# KiCad board geeks-ecu.kicad_pcb
title: Electronics Control Unit (ECU); date: 2025-11-19; rev: V1; company: Learn Science and Math Club; note: Geeks for Kids
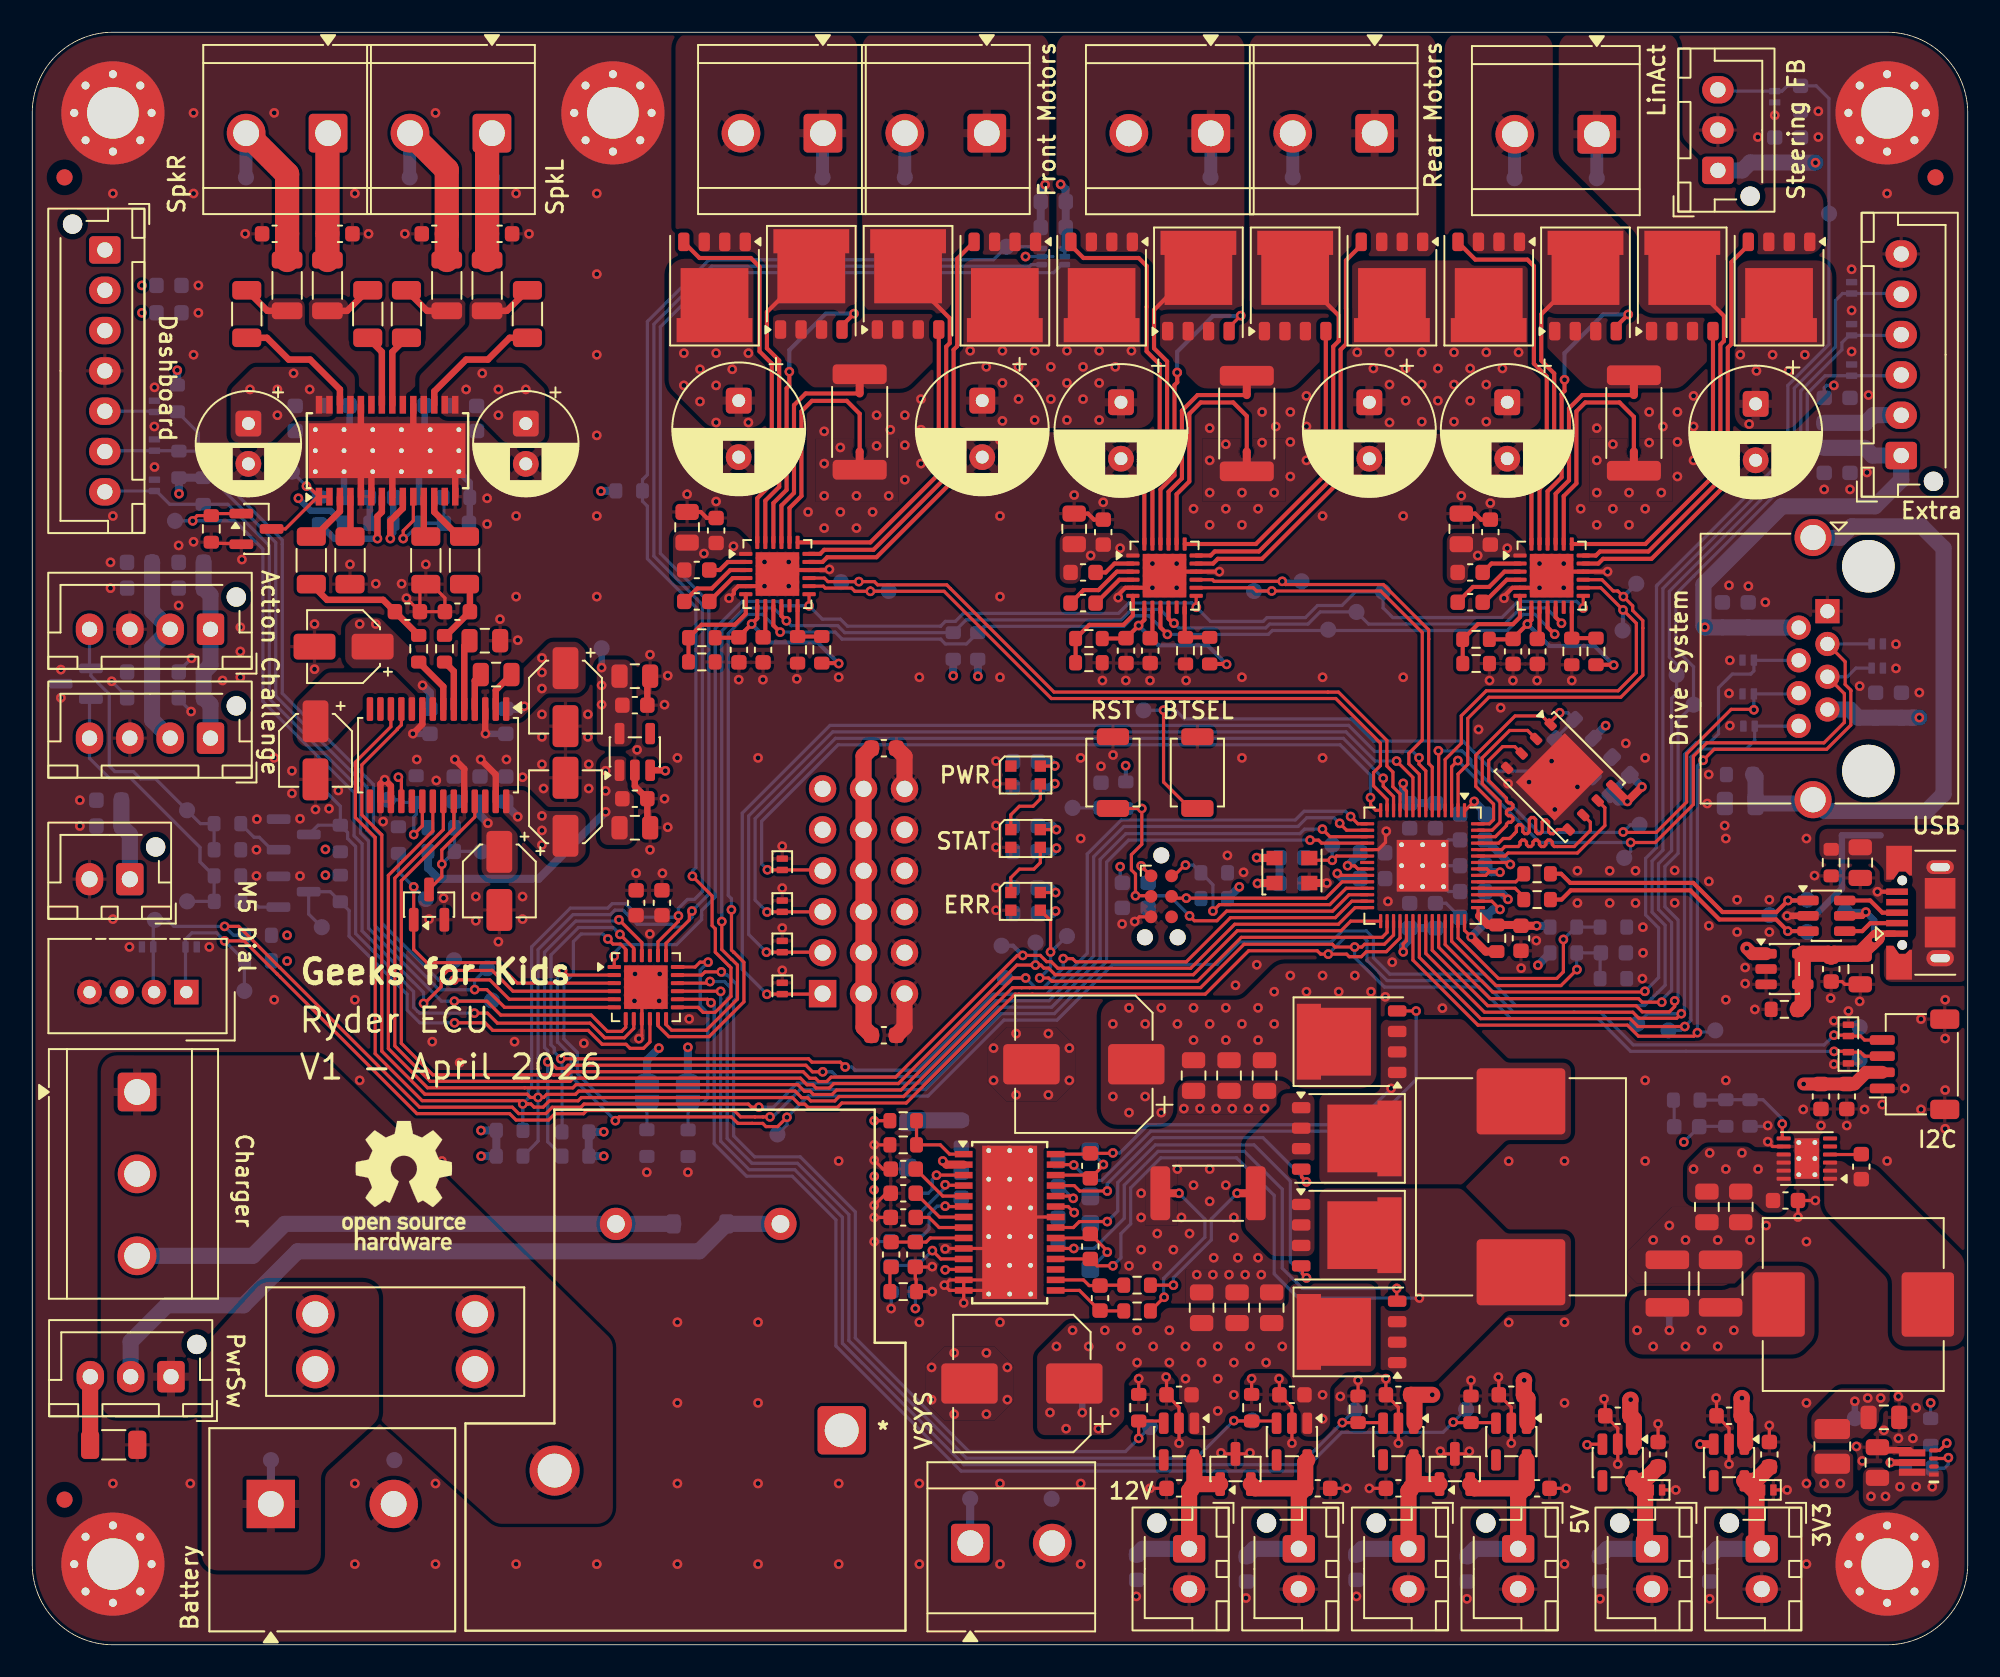
[diagram p0: board, top side]
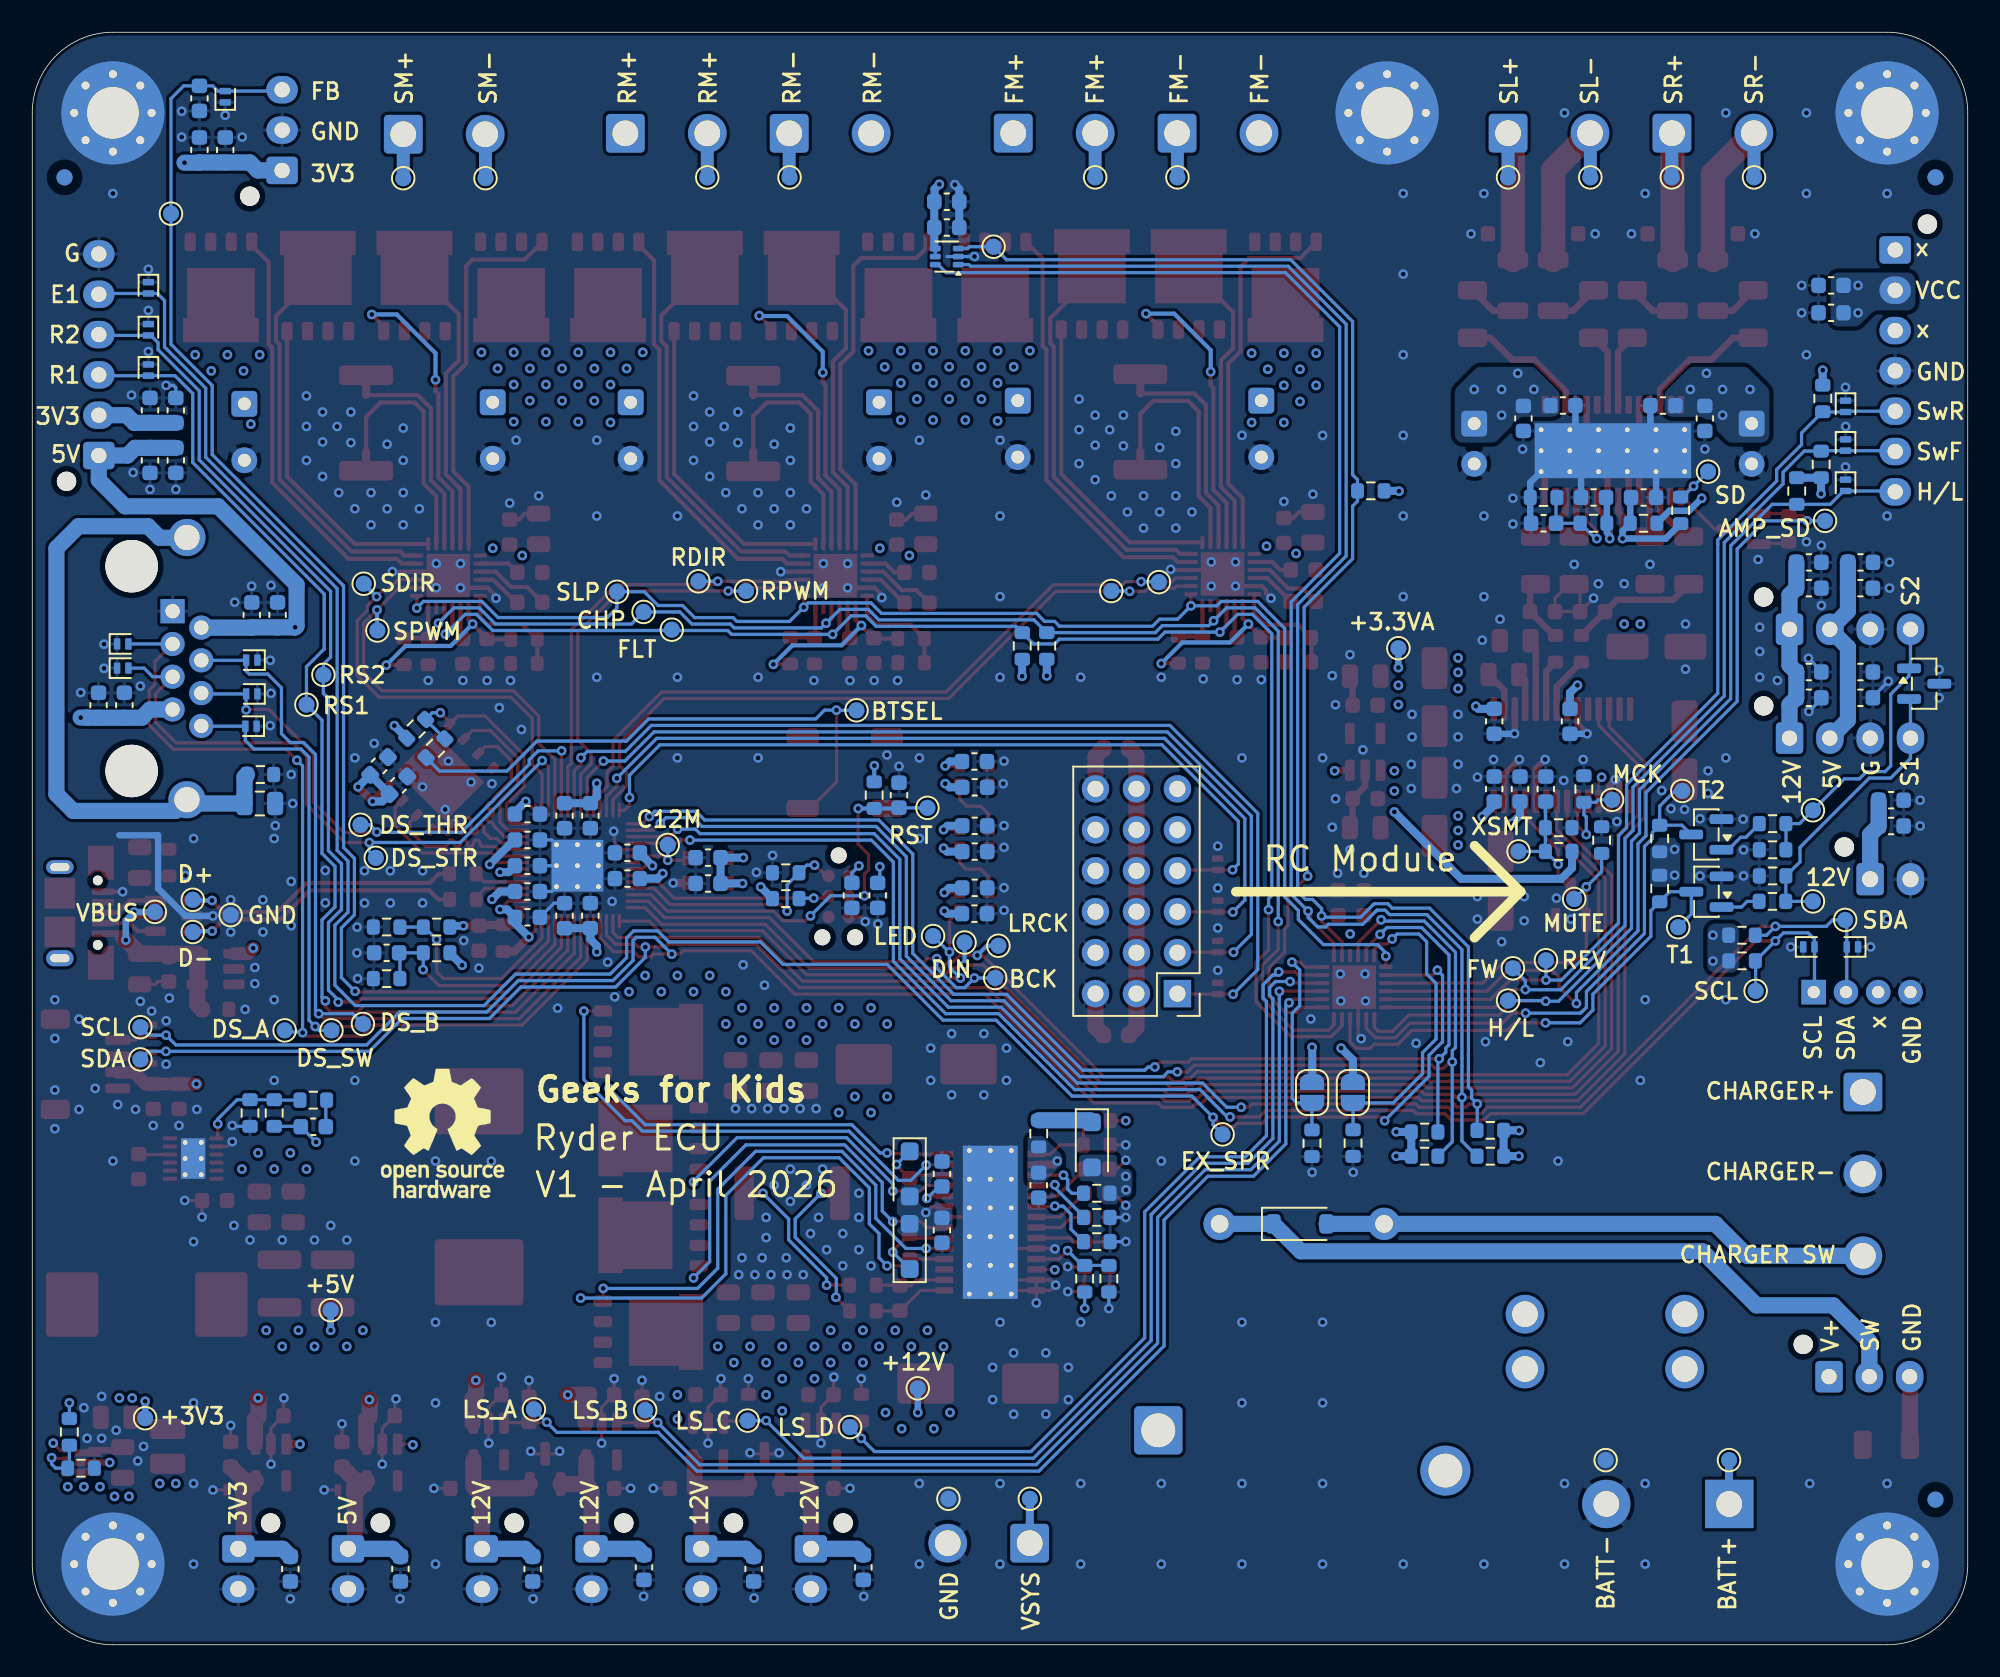
[diagram p1: board, bottom side, seen from below]

Outline 120 x 100 mm; copper layers: Top, In1.Cu, In2.Cu, In3.Cu, In4.Cu, In5.Cu, In6.Cu, Bottom. Coordinates in mm from the lower left corner of the outline.
Outline path: 0,95 arc(1.46,98.54) 5,100 115,100 arc(118.54,98.54) 120,95 120,5 arc(118.54,1.46) 115,0 5,0 arc(1.46,1.46) 0,5 0,95
Stack: Top 0.035mm / dielectric 0.203mm 7628 er 4.5 / In1.Cu 0.03mm / dielectric 0.25mm FR4 er 4.5 / In2.Cu 0.03mm / dielectric 0.203mm 7628 er 4.5 / dielectric 0.107mm 3313 er 4.5 / dielectric 0.203mm 7628 er 4.5 / In3.Cu 0.03mm / dielectric 0.25mm FR4 er 4.5 / In4.Cu 0.03mm / dielectric 0.203mm 7628 er 4.5 / In5.Cu 0.035mm / dielectric 0mm FR4 er 4.5 / In6.Cu 0.035mm / dielectric 0mm FR4 er 4.5 / Bottom 0.035mm

## Placement (name value [footprint] x y rotation side)
C201  15nF  [C_0603_1608Metric]  54 26.5 180 top
C202  15nF  [C_0603_1608Metric]  53.25 24.2 270 top
C203  150pF  [C_0603_1608Metric]  54.75 24.2 270 top
C204  68uF  [CP_Elec_8x10]  65.2 36 180 top
C205  10uF  [C_0805_2012Metric]  72 35.3 90 top
C206  10uF  [C_0805_2012Metric]  74.2 35.3 90 top
C207  47nF  [C_0603_1608Metric]  54 29.5 180 top
C208  10uF  [C_0805_2012Metric]  76.4 35.3 90 top
C209  180pF  [C_0603_1608Metric]  54 28 180 top
C210  47pF  [C_0603_1608Metric]  66.2 21.5 270 top
C211  100nF  [C_0603_1608Metric]  57.6 28.5 270 bottom
C212  100nF  [C_0603_1608Metric]  63.6 29.2 90 bottom
C213  1uF  [C_0603_1608Metric]  63.6 25.7 90 bottom
C214  22uF  [C_0805_2012Metric]  72.5 20.9 90 top
C215  100nF  [C_0603_1608Metric]  65.6 29.7 90 top
C216  22uF  [C_0805_2012Metric]  74.7 20.9 90 top
C217  100nF  [C_0603_1608Metric]  65.6 24.7 270 top
C218  22uF  [C_0805_2012Metric]  76.84 20.9 90 top
C219  270uF  [CP_Elec_8x10]  61.36 16.2 180 top
C220  1uF  [C_0603_1608Metric]  91.7 15.5 0 top
C221  1uF  [C_0603_1608Metric]  84.7 15.5 0 top
C222  1uF  [C_0603_1608Metric]  78.1 15.5 0 top
C223  1uF  [C_0603_1608Metric]  71.1 15.5 0 top
C224  1uF  [C_0603_1608Metric]  93.3 9.7 180 top
C225  1uF  [C_0603_1608Metric]  84.7 9.7 0 top
C226  1uF  [C_0603_1608Metric]  79.7 9.7 180 top
C227  1uF  [C_0603_1608Metric]  71.1 9.7 0 top
C228  0.1uF  [C_0603_1608Metric]  88.98 4.7 270 bottom
C229  0.1uF  [C_0603_1608Metric]  82.07 4.8 270 bottom
C230  0.1uF  [C_0603_1608Metric]  75.28 4.7 270 bottom
C231  0.1uF  [C_0603_1608Metric]  68.47 4.8 270 bottom
C301  10uF  [C_0805_2012Metric]  103.82 27.15 90 top
C302  10uF  [C_0805_2012Metric]  105.92 27.15 90 top
C303  10uF  [C_0805_2012Metric]  114.4 11.3 270 top
C304  0.1uF  [C_0603_1608Metric]  108.7 27.55 0 top
C305  0.1uF  [C_0603_1608Metric]  113.4 29.65 270 top
C306  22uF  [C_0805_2012Metric]  114.8 14.1 0 top
C307  33pF  [C_0603_1608Metric]  102.58 32.12 180 bottom
C308  47uF  [C_1210_3225Metric]  101.38 22.4 90 top
C309  1uF  [C_0603_1608Metric]  98.3 14.2 0 top
C310  1uF  [C_0603_1608Metric]  105.2 14.2 0 top
C311  47uF  [C_1210_3225Metric]  104.68 22.4 90 top
C312  1uF  [C_0603_1608Metric]  100.8 11.8 270 top
C313  1uF  [C_0603_1608Metric]  107.7 11.8 270 top
C314  0.1uF  [C_0603_1608Metric]  97.18 4.7 270 bottom
C315  0.1uF  [C_0603_1608Metric]  104 4.7 270 bottom
C401  1uF  [C_0603_1608Metric]  97.3 53.3 315 bottom
C402  1uF  [C_0603_1608Metric]  78.1 48.81 180 bottom
C403  1uF  [C_0603_1608Metric]  67.58 46.47 90 bottom
C404  4.7nF  [C_0805_2012Metric]  113.33 48.5 270 top
C405  0.1uF  [C_0603_1608Metric]  98.5 54.5 135 bottom
C406  0.1uF  [C_0603_1608Metric]  78.1 47.21 0 bottom
C407  0.1uF  [C_0603_1608Metric]  69.18 46.47 270 bottom
C408  0.1uF  [C_0603_1608Metric]  66.26 52.69 90 bottom
C409  10uF  [C_0805_2012Metric]  113.33 41.91 90 top
C410  0.1uF  [C_0603_1608Metric]  111.54 41.91 270 top
C411  1uF  [C_0603_1608Metric]  89.3 45.11 0 bottom
C412  1uF  [C_0603_1608Metric]  92.3 43.81 90 top
C413  0.1uF  [C_0603_1608Metric]  89.3 51.51 180 bottom
C414  0.1uF  [C_0603_1608Metric]  85.4 51.41 270 bottom
C415  0.1uF  [C_0603_1608Metric]  83.1 49.11 0 bottom
C416  1uF  [C_0603_1608Metric]  61.59 45.34 0 bottom
C417  0.1uF  [C_0603_1608Metric]  85.4 45.21 90 bottom
C418  0.1uF  [C_0603_1608Metric]  61.57 46.94 180 bottom
C419  0.1uF  [C_0603_1608Metric]  87 45.21 90 bottom
C420  1uF  [C_0603_1608Metric]  61.57 49.19 0 bottom
C421  0.1uF  [C_0603_1608Metric]  87 51.41 270 bottom
C422  0.1uF  [C_0603_1608Metric]  61.57 50.79 180 bottom
C423  0.1uF  [C_0603_1608Metric]  89.3 48.31 180 bottom
C424  1uF  [C_0603_1608Metric]  61.57 53.17 0 bottom
C425  1uF  [C_0603_1608Metric]  89.3 49.91 0 bottom
C426  0.1uF  [C_0603_1608Metric]  61.59 54.78 180 bottom
C427  0.1uF  [C_0603_1608Metric]  89.3 46.71 180 bottom
C428  0.1uF  [C_0603_1608Metric]  83.1 47.51 0 bottom
C429  0.1uF  [C_0603_1608Metric]  98.03 42.91 0 bottom
C430  1uF  [C_0603_1608Metric]  39.04 46.01 270 top
C431  0.1uF  [C_0603_1608Metric]  37.44 46.01 90 top
C432  1uF  [C_0603_1608Metric]  110.9 34 90 top
C433  0.1uF  [C_0603_1608Metric]  112.5 34 270 top
C434  1uF  [C_0603_1608Metric]  63.3 89.49 0 bottom
C435  0.1uF  [C_0603_1608Metric]  63.3 87.89 180 bottom
C501  1uF  [C_0603_1608Metric]  9.85 58.72 0 bottom
C502  1uF  [C_0603_1608Metric]  6.66 58.72 0 bottom
C503  1uF  [C_0603_1608Metric]  9.85 65.53 0 bottom
C504  1uF  [C_0603_1608Metric]  6.66 65.53 0 bottom
C505  1uF  [C_0603_1608Metric]  4.75 52.38 0 bottom
C506  0.1uF  [C_0603_1608Metric]  9.85 60.33 180 bottom
C507  0.1uF  [C_0603_1608Metric]  6.66 60.33 180 bottom
C508  0.1uF  [C_0603_1608Metric]  9.85 67.12 180 bottom
C509  0.1uF  [C_0603_1608Metric]  6.65 67.12 180 bottom
C510  0.1uF  [C_0603_1608Metric]  4.75 50.78 180 bottom
C511  1uF  [C_0603_1608Metric]  104.79 63.87 270 bottom
C512  0.1uF  [C_0603_1608Metric]  106.39 63.87 90 bottom
C513  1uF  [C_0603_1608Metric]  115.89 58.27 270 bottom
C514  0.1uF  [C_0603_1608Metric]  114.29 58.27 90 bottom
C515  1uF  [C_0603_1608Metric]  52.8 37.8 180 top
C516  1uF  [C_0603_1608Metric]  8.47 82.6 180 bottom
C517  4.7nF  [C_0805_2012Metric]  105.89 52.17 180 bottom
C518  0.1uF  [C_0603_1608Metric]  52.8 55.6 0 top
C519  0.1uF  [C_0603_1608Metric]  8.47 84.3 0 bottom
C520  0.1uF  [C_0603_1608Metric]  109.63 95.9 270 bottom
C521  1uF  [C_0603_1608Metric]  108.04 92.7 270 bottom
C522  1uF  [C_0603_1608Metric]  111.1 73.45 90 bottom
C523  1uF  [C_0603_1608Metric]  111.1 76.55 270 bottom
C524  0.1uF  [C_0603_1608Metric]  109.63 92.7 90 bottom
C525  0.1uF  [C_0603_1608Metric]  112.7 73.45 270 bottom
C526  0.1uF  [C_0603_1608Metric]  112.7 76.55 90 bottom
C601  1uF  [C_0603_1608Metric]  43.81 61.7 90 top
C602  1uF  [C_0603_1608Metric]  45.31 61.7 90 top
C603  0.1uF  [C_0603_1608Metric]  41.2 64.7 0 top
C604  10uF  [C_0805_2012Metric]  40.6 69.3 270 top
C605  100nF  [C_0603_1608Metric]  42.4 69.1 90 top
C606  1uF  [C_0603_1608Metric]  41.2 66.65 180 top
C607  100uF  [CP_Radial_D8.0mm_P3.50mm]  58.9 77.15 270 top
C608  100uF  [CP_Radial_D8.0mm_P3.50mm]  43.8 77.15 270 top
C701  1uF  [C_0603_1608Metric]  67.81 61.65 90 top
C702  1uF  [C_0603_1608Metric]  69.31 61.65 90 top
C703  0.1uF  [C_0603_1608Metric]  65.15 64.6 0 top
C704  10uF  [C_0805_2012Metric]  64.6 69.2 270 top
C705  100nF  [C_0603_1608Metric]  66.4 69 90 top
C706  1uF  [C_0603_1608Metric]  65.15 66.5 180 top
C707  100uF  [CP_Radial_D8.0mm_P3.50mm]  67.5 77.05 270 top
C708  100uF  [CP_Radial_D8.0mm_P3.50mm]  82.9 77.05 270 top
C801  1uF  [C_0603_1608Metric]  91.81 61.6 90 top
C802  1uF  [C_0603_1608Metric]  93.31 61.6 90 top
C803  0.1uF  [C_0603_1608Metric]  89.15 64.65 0 top
C804  10uF  [C_0805_2012Metric]  88.6 69.2 270 top
C805  100nF  [C_0603_1608Metric]  90.4 69 90 top
C806  1uF  [C_0603_1608Metric]  89.15 66.5 180 top
C807  100uF  [CP_Radial_D8.0mm_P3.50mm]  91.45 77.05 270 top
C808  100uF  [CP_Radial_D8.0mm_P3.50mm]  106.85 76.96 270 top
C901  0.1uF  [C_0603_1608Metric]  26.16 53.07 90 bottom
C902  10uF  [CP_Elec_4x5.4]  33.06 51.97 90 top
C903  10uF  [CP_Elec_4x5.4]  33.06 58.77 270 top
C904  10uF  [C_0805_2012Metric]  37.36 50.67 180 top
C905  0.1uF  [C_0603_1608Metric]  29.36 53.07 90 bottom
C906  0.1uF  [C_0603_1608Metric]  29.36 57.27 270 bottom
C907  0.1uF  [C_0603_1608Metric]  37.36 52.47 0 top
C908  0.1uF  [C_0603_1608Metric]  24.66 57.27 270 bottom
C909  0.1uF  [C_0603_1608Metric]  37.36 58.27 0 top
C910  10uF  [CP_Elec_4x5.4]  19.3 61.9 180 top
C911  2.2uF  [C_0805_2012Metric]  28.06 62.27 0 top
C912  2.2uF  [C_0805_2012Metric]  28.76 60.17 180 top
C913  10uF  [C_0805_2012Metric]  37.36 60.07 180 top
C914  0.1uF  [C_0603_1608Metric]  27.76 53.07 90 bottom
C915  2.2nF  [C_0603_1608Metric]  26.36 64.07 180 top
C916  2.2nF  [C_0603_1608Metric]  23.26 64.07 180 top
C917  10uF  [CP_Elec_4x5.4]  28.96 47.37 270 top
C918  10uF  [CP_Elec_4x5.4]  17.56 55.47 270 top
C919  100nF  [C_1206_3216Metric]  17.3 67.25 270 top
C920  100nF  [C_1206_3216Metric]  19.7 67.25 270 top
C921  100nF  [C_1206_3216Metric]  26.8 67.25 270 top
C922  100nF  [C_1206_3216Metric]  24.4 67.25 270 top
C923  1uF  [C_0603_1608Metric]  23.2 71.15 180 bottom
C924  1uF  [C_0603_1608Metric]  20.1 71.15 0 bottom
C925  100uF  [CP_Radial_D6.3mm_P2.50mm]  30.6 75.73 270 top
C926  0.1uF  [C_0603_1608Metric]  27.55 76.05 270 bottom
C927  0.22uF  [C_1206_3216Metric]  13.3 82.53 270 top
C928  0.22uF  [C_1206_3216Metric]  20.8 82.53 270 top
C929  0.22uF  [C_1206_3216Metric]  23.2 82.53 270 top
C930  0.22uF  [C_1206_3216Metric]  30.7 82.53 270 top
C931  1nF  [C_0603_1608Metric]  18.9 76.85 0 bottom
C932  100uF  [CP_Radial_D6.3mm_P2.50mm]  13.4 75.73 270 top
C933  0.1uF  [C_0603_1608Metric]  16.3 76.05 270 bottom
C934  1nF  [C_0603_1608Metric]  15.03 87.5 180 top
C935  1nF  [C_0603_1608Metric]  19.07 87.5 180 top
C936  1nF  [C_0603_1608Metric]  24.93 87.5 180 top
C937  1nF  [C_0603_1608Metric]  28.97 87.5 180 top
C938  1uF  [C_0603_1608Metric]  26.3 69.55 180 bottom
C939  1nF  [C_0603_1608Metric]  25.1 76.85 180 bottom
D101  1N4148W  [D_SOD-123]  41.4 26.1 180 bottom
D201  K26  [D_SOD-123F]  54.3 31 270 bottom
D202  K26  [D_SOD-123F]  65.6 29.2 270 bottom
D203  K26  [D_SOD-123F]  65.6 24.7 90 bottom
D204  12VRWM  [SOT-23]  88.2 10.9 90 top
D205  12VRWM  [SOT-23]  74.6 10.9 90 top
D301  5VRWM  [D_SOD-882]  100.7 9.6 180 top
D302  5VRWM  [D_SOD-882]  107.6 9.6 180 top
D401  WS2812B-2020  [LED_WS2812B-2020_PLCC4_2.0x2.0mm]  61.59 46.1 0 top
D402  WS2812B-2020  [LED_WS2812B-2020_PLCC4_2.0x2.0mm]  61.59 50 0 top
D403  WS2812B-2020  [LED_WS2812B-2020_PLCC4_2.0x2.0mm]  61.59 53.94 0 top
D404  5VRWM  [D_SOD-882]  112.6 38.1 270 top
D405  5VRWM  [D_SOD-882]  112.6 36.4 90 top
D501  5VRWM  [D_SOD-882]  7.15 43.28 0 bottom
D502  12VRWM  [SOT-23]  2.7 59.6 180 bottom
D503  5VRWM  [D_SOD-882]  9.85 43.28 180 bottom
D504  5VRWM  [D_SOD-882]  106.44 56.97 0 bottom
D505  5VRWM  [D_SOD-882]  46.5 40.7 270 top
D506  5VRWM  [D_SOD-882]  7.57 76.8 270 bottom
D507  5VRWM  [D_SOD-882]  106.39 58.97 0 bottom
D508  5VRWM  [D_SOD-882]  46.5 43.3 270 top
D509  5VRWM  [D_SOD-882]  7.57 74.4 270 bottom
D510  5VRWM  [D_SOD-882]  114.39 60.57 180 bottom
D511  5VRWM  [D_SOD-882]  46.5 45.8 270 top
D512  5VRWM  [D_SOD-882]  7.57 71.9 270 bottom
D513  5VRWM  [D_SOD-882]  106.39 61.07 0 bottom
D514  5VRWM  [D_SOD-882]  46.5 48.4 270 top
D515  5VRWM  [D_SOD-882]  114.39 62.07 180 bottom
D516  5VRWM  [D_SOD-882]  112.8 79.05 270 bottom
D517  5VRWM  [D_SOD-882]  112.8 81.55 270 bottom
D518  5VRWM  [D_SOD-882]  112.8 84.15 270 bottom
D519  5VRWM  [D_SOD-882]  108.04 96 90 bottom
F101  30A  [Keystone_3568]  22.5 18.8 0 top
FB901  120Ohm@100MHz  [L_1206_3216Metric]  15.8 84.3 90 top
FB902  120Ohm@100MHz  [L_1206_3216Metric]  18.3 84.3 90 top
FB903  120Ohm@100MHz  [L_1206_3216Metric]  25.7 84.3 90 top
FB904  120Ohm@100MHz  [L_1206_3216Metric]  28.2 84.3 90 top
FID101  1mm/2mm  [Fiducial_1mm_Mask2mm]  2 9 0 top
FID102  1mm/2mm  [Fiducial_1mm_Mask2mm]  2 91 0 top
FID103  1mm/2mm  [Fiducial_1mm_Mask2mm]  118 91 0 top
FID104  1mm/2mm  [Fiducial_1mm_Mask2mm]  2 9 180 bottom
FID105  1mm/2mm  [Fiducial_1mm_Mask2mm]  2 91 180 bottom
FID106  1mm/2mm  [Fiducial_1mm_Mask2mm]  118 91 180 bottom
H101  M3  [MountingHole_3.2mm_M3_Pad_Via]  5 95 0 top
H102  M3  [MountingHole_3.2mm_M3_Pad_Via]  115 95 0 top
H103  M3  [MountingHole_3.2mm_M3_Pad_Via]  115 5 0 top
H104  M3  [MountingHole_3.2mm_M3_Pad_Via]  5 5 0 top
H105  M3  [MountingHole_3.2mm_M3_Pad_Via]  36 95 0 top
J101  7.62mm  [TerminalBlock_CUI_TB005-762-02BE_1x02_P7.62mm_Horizontal]  14.79 8.73 0 top
J102  5.08mm  [TerminalBlock_CUI_TB007-508-03_1x03_P5.08mm_Horizontal]  6.5 34.28 270 top
J103  JST XH  [JST_XH_B3B-XH-AM_1x03_P2.50mm_Vertical]  8.6 16.62 180 top
J104  5.08mm  [TerminalBlock_CUI_TB007-508-02_1x02_P5.08mm_Horizontal]  58.16 6.3 0 top
J105  5.08mm  [TerminalBlock_CUI_TB007-508-02_1x02_P5.08mm_Horizontal]  28.5 93.74 180 top
J106  5.08mm  [TerminalBlock_CUI_TB007-508-02_1x02_P5.08mm_Horizontal]  18.34 93.74 180 top
J107  5.08mm  [TerminalBlock_CUI_TB007-508-02_1x02_P5.08mm_Horizontal]  59.18 93.74 180 top
J108  5.08mm  [TerminalBlock_CUI_TB007-508-02_1x02_P5.08mm_Horizontal]  49.02 93.74 180 top
J109  5.08mm  [TerminalBlock_CUI_TB007-508-02_1x02_P5.08mm_Horizontal]  83.23 93.73 180 top
J110  5.08mm  [TerminalBlock_CUI_TB007-508-02_1x02_P5.08mm_Horizontal]  73.07 93.73 180 top
J111  5.08mm  [TerminalBlock_CUI_TB007-508-02_1x02_P5.08mm_Horizontal]  97 93.67 180 top
J201  JST XH  [JST_XH_B2B-XH-AM_1x02_P2.50mm_Vertical]  92.12 5.95 270 top
J202  JST XH  [JST_XH_B2B-XH-AM_1x02_P2.50mm_Vertical]  85.32 5.95 270 top
J203  JST XH  [JST_XH_B2B-XH-AM_1x02_P2.50mm_Vertical]  78.53 5.95 270 top
J204  JST XH  [JST_XH_B2B-XH-AM_1x02_P2.50mm_Vertical]  71.72 5.95 270 top
J301  JST XH  [JST_XH_B2B-XH-AM_1x02_P2.50mm_Vertical]  100.43 5.95 270 top
J302  JST XH  [JST_XH_B2B-XH-AM_1x02_P2.50mm_Vertical]  107.23 5.95 270 top
J401  USB Micro-B  [USB_Micro-B_XKB_U254-051T-4BH83-F1S]  117.9 45.4 90 top
J402  TC2030  [Tag-Connect_TC2030-IDC-NL_2x03_P1.27mm_Vertical]  70 46.41 270 top
J403  JST SH  [JST_SH_SM04B-SRSS-TB_1x04-1MP_P1.00mm_Horizontal]  116.7 36 90 top
J501  JST XH  [JST_XH_B4B-XH-AM_1x04_P2.50mm_Vertical]  11.05 56.22 180 top
J502  JST XH  [JST_XH_B4B-XH-AM_1x04_P2.50mm_Vertical]  11.05 62.97 180 top
J503  Grove  [NS-Tech_Grove_1x04_P2mm_Vertical]  9.55 40.47 270 top
J504  JST XH  [JST_XH_B2B-XH-AM_1x02_P2.50mm_Vertical]  6.05 47.47 180 top
J505  JST XH  [JST_XH_B7B-XH-AM_1x07_P2.50mm_Vertical]  4.5 86.5 270 top
J506  3x6 2.54mm  [PinHeader_3x06_P2.54mm_Vertical]  49 40.38 0 bottom
J507  RJ45  [RJ45_Amphenol_RJHSE5380]  111.3 64.1 270 top
J508  JST XH  [JST_XH_B3B-XH-AM_1x03_P2.50mm_Vertical]  104.51 91.43 90 top
J509  JST XH  [JST_XH_B6B-XH-AM_1x06_P2.50mm_Vertical]  115.88 73.75 90 top
JP401  SolderJumper_2_Open  [SolderJumper-2_P1.3mm_Open_RoundedPad1.0x1.5mm]  40.65 34.25 270 bottom
JP402  SolderJumper_2_Open  [SolderJumper-2_P1.3mm_Open_RoundedPad1.0x1.5mm]  38.12 34.25 270 bottom
K101  -  [J115F11A]  50.19 13.3 180 top
L201  3.3uH  [L_APV_APH1265]  92.3 28.4 270 top
L301  0.47uH  [L_1008_2520Metric]  111.6 12.3 90 top
L302  4.7uH  [L_TechFuse_SL1050]  112.9 21.1 180 top
NT201  NetTie_2  [NetTie-2_SMD_Pad0.5mm]  75.2 28 0 top
NT202  NetTie_2  [NetTie-2_SMD_Pad0.5mm]  70.6 28 180 top
NT601  NetTie_2  [NetTie-2_SMD_Pad0.5mm]  51.3 78.1 270 top
NT602  NetTie_2  [NetTie-2_SMD_Pad0.5mm]  51.3 73.5 270 top
NT701  NetTie_2  [NetTie-2_SMD_Pad0.5mm]  75.3 78 270 top
NT702  NetTie_2  [NetTie-2_SMD_Pad0.5mm]  75.3 73.5 270 top
NT801  NetTie_2  [NetTie-2_SMD_Pad0.5mm]  99.3 78 270 top
NT802  NetTie_2  [NetTie-2_SMD_Pad0.5mm]  99.3 73.5 270 top
Q201  60V 45A  [PQFN-8-EP_6x5mm_P1.27mm_Generic]  81.9 37.4 180 top
Q202  60V 45A  [PQFN-8-EP_6x5mm_P1.27mm_Generic]  81.4 31.4 0 top
Q203  30V 52A  [PQFN-8-EP_6x5mm_P1.27mm_Generic]  81.9 19.4 180 top
Q204  30V 52A  [PQFN-8-EP_6x5mm_P1.27mm_Generic]  81.4 25.4 0 top
Q501  2N7002  [SOT-23]  16.2 46.7 0 bottom
Q502  2N7002  [SOT-23]  16.21 50.25 0 bottom
Q601  60V 45A  [PQFN-8-EP_6x5mm_P1.27mm_Generic]  42.3 84.28 270 top
Q602  60V 45A  [PQFN-8-EP_6x5mm_P1.27mm_Generic]  48.3 84.29 90 top
Q603  60V 45A  [PQFN-8-EP_6x5mm_P1.27mm_Generic]  60.3 84.28 270 top
Q604  60V 45A  [PQFN-8-EP_6x5mm_P1.27mm_Generic]  54.3 84.29 90 top
Q701  60V 45A  [PQFN-8-EP_6x5mm_P1.27mm_Generic]  66.3 84.28 270 top
Q702  60V 45A  [PQFN-8-EP_6x5mm_P1.27mm_Generic]  72.3 84.19 90 top
Q703  60V 45A  [PQFN-8-EP_6x5mm_P1.27mm_Generic]  84.3 84.28 270 top
Q704  60V 45A  [PQFN-8-EP_6x5mm_P1.27mm_Generic]  78.3 84.19 90 top
Q801  60V 45A  [PQFN-8-EP_6x5mm_P1.27mm_Generic]  90.3 84.28 270 top
Q802  60V 45A  [PQFN-8-EP_6x5mm_P1.27mm_Generic]  96.3 84.19 90 top
Q803  60V 45A  [PQFN-8-EP_6x5mm_P1.27mm_Generic]  108.3 84.28 270 top
Q804  60V 45A  [PQFN-8-EP_6x5mm_P1.27mm_Generic]  102.3 84.19 90 top
Q901  2N7002  [SOT-23]  24.6 45.9 90 top
Q902  2N7002  [SOT-23]  13.9 69.2 0 top
R101  1.1kΩ  [R_1206_3216Metric]  5.05 12.4 0 top
R201  249kΩ  [R_0603_1608Metric]  54 32.5 0 top
R202  57.6kΩ  [R_0603_1608Metric]  54 31 180 top
R203  12.4kΩ  [R_0603_1608Metric]  54 21.9 0 top
R204  93.1kΩ  [R_0603_1608Metric]  54 26.5 180 bottom
R205  23.2kΩ  [R_0603_1608Metric]  54 25 180 bottom
R206  100Ω  [R_0603_1608Metric]  68.5 22.3 0 top
R207  100Ω  [R_0603_1608Metric]  68.5 20.7 0 top
R208  2kΩ  [R_0603_1608Metric]  54 28 0 bottom
R209  10Ω  [R_0603_1608Metric]  57.6 31.7 270 bottom
R210  8mΩ  [R_2512_6332Metric]  72.9 28 180 top
R211  280kΩ  [R_0603_1608Metric]  54.75 22.7 90 bottom
R212  20kΩ  [R_0603_1608Metric]  53.25 22.7 270 bottom
R213  10kΩ  [R_0603_1608Metric]  89.2 14.6 90 top
R214  10kΩ  [R_0603_1608Metric]  82.2 14.6 90 top
R215  10kΩ  [R_0603_1608Metric]  75.6 14.7 90 top
R216  10kΩ  [R_0603_1608Metric]  68.6 14.7 90 top
R301  510kΩ  [R_0603_1608Metric]  117.7 13.2 270 bottom
R302  162kΩ  [R_0603_1608Metric]  116.98 10.95 180 bottom
R303  100kΩ  [R_0603_1608Metric]  105 32.97 90 bottom
R304  19.1kΩ  [R_0603_1608Metric]  106.5 32.97 270 bottom
R305  1kΩ  [R_0603_1608Metric]  102.58 33.78 180 bottom
R401  1kΩ  [R_0603_1608Metric]  95 55.6 315 bottom
R402  280kΩ  [R_0603_1608Metric]  111.54 48.5 270 top
R403  10kΩ  [R_0603_1608Metric]  96.2 56.8 135 bottom
R404  10kΩ  [R_0603_1608Metric]  67.8 52.69 270 bottom
R405  10kΩ  [R_0603_1608Metric]  73.28 46.27 180 bottom
R406  10kΩ  [R_0603_1608Metric]  108.63 39.41 180 top
R407  10kΩ  [R_0603_1608Metric]  73.28 47.87 0 bottom
R408  27Ω  [R_0603_1608Metric]  93.3 47.81 0 top
R409  27Ω  [R_0603_1608Metric]  93.3 46.21 0 top
R410  10Ω  [R_0603_1608Metric]  90.8 43.81 270 top
R411  10kΩ  [R_0603_1608Metric]  94.93 44.51 0 bottom  (not fitted)
R412  10kΩ  [R_0603_1608Metric]  98.03 44.51 0 bottom
R413  4.7kΩ  [R_0603_1608Metric]  29.6 31.9 0 bottom